# Altium PCB fMAX_MB.PcbDoc (part 12 of 13) (continued)
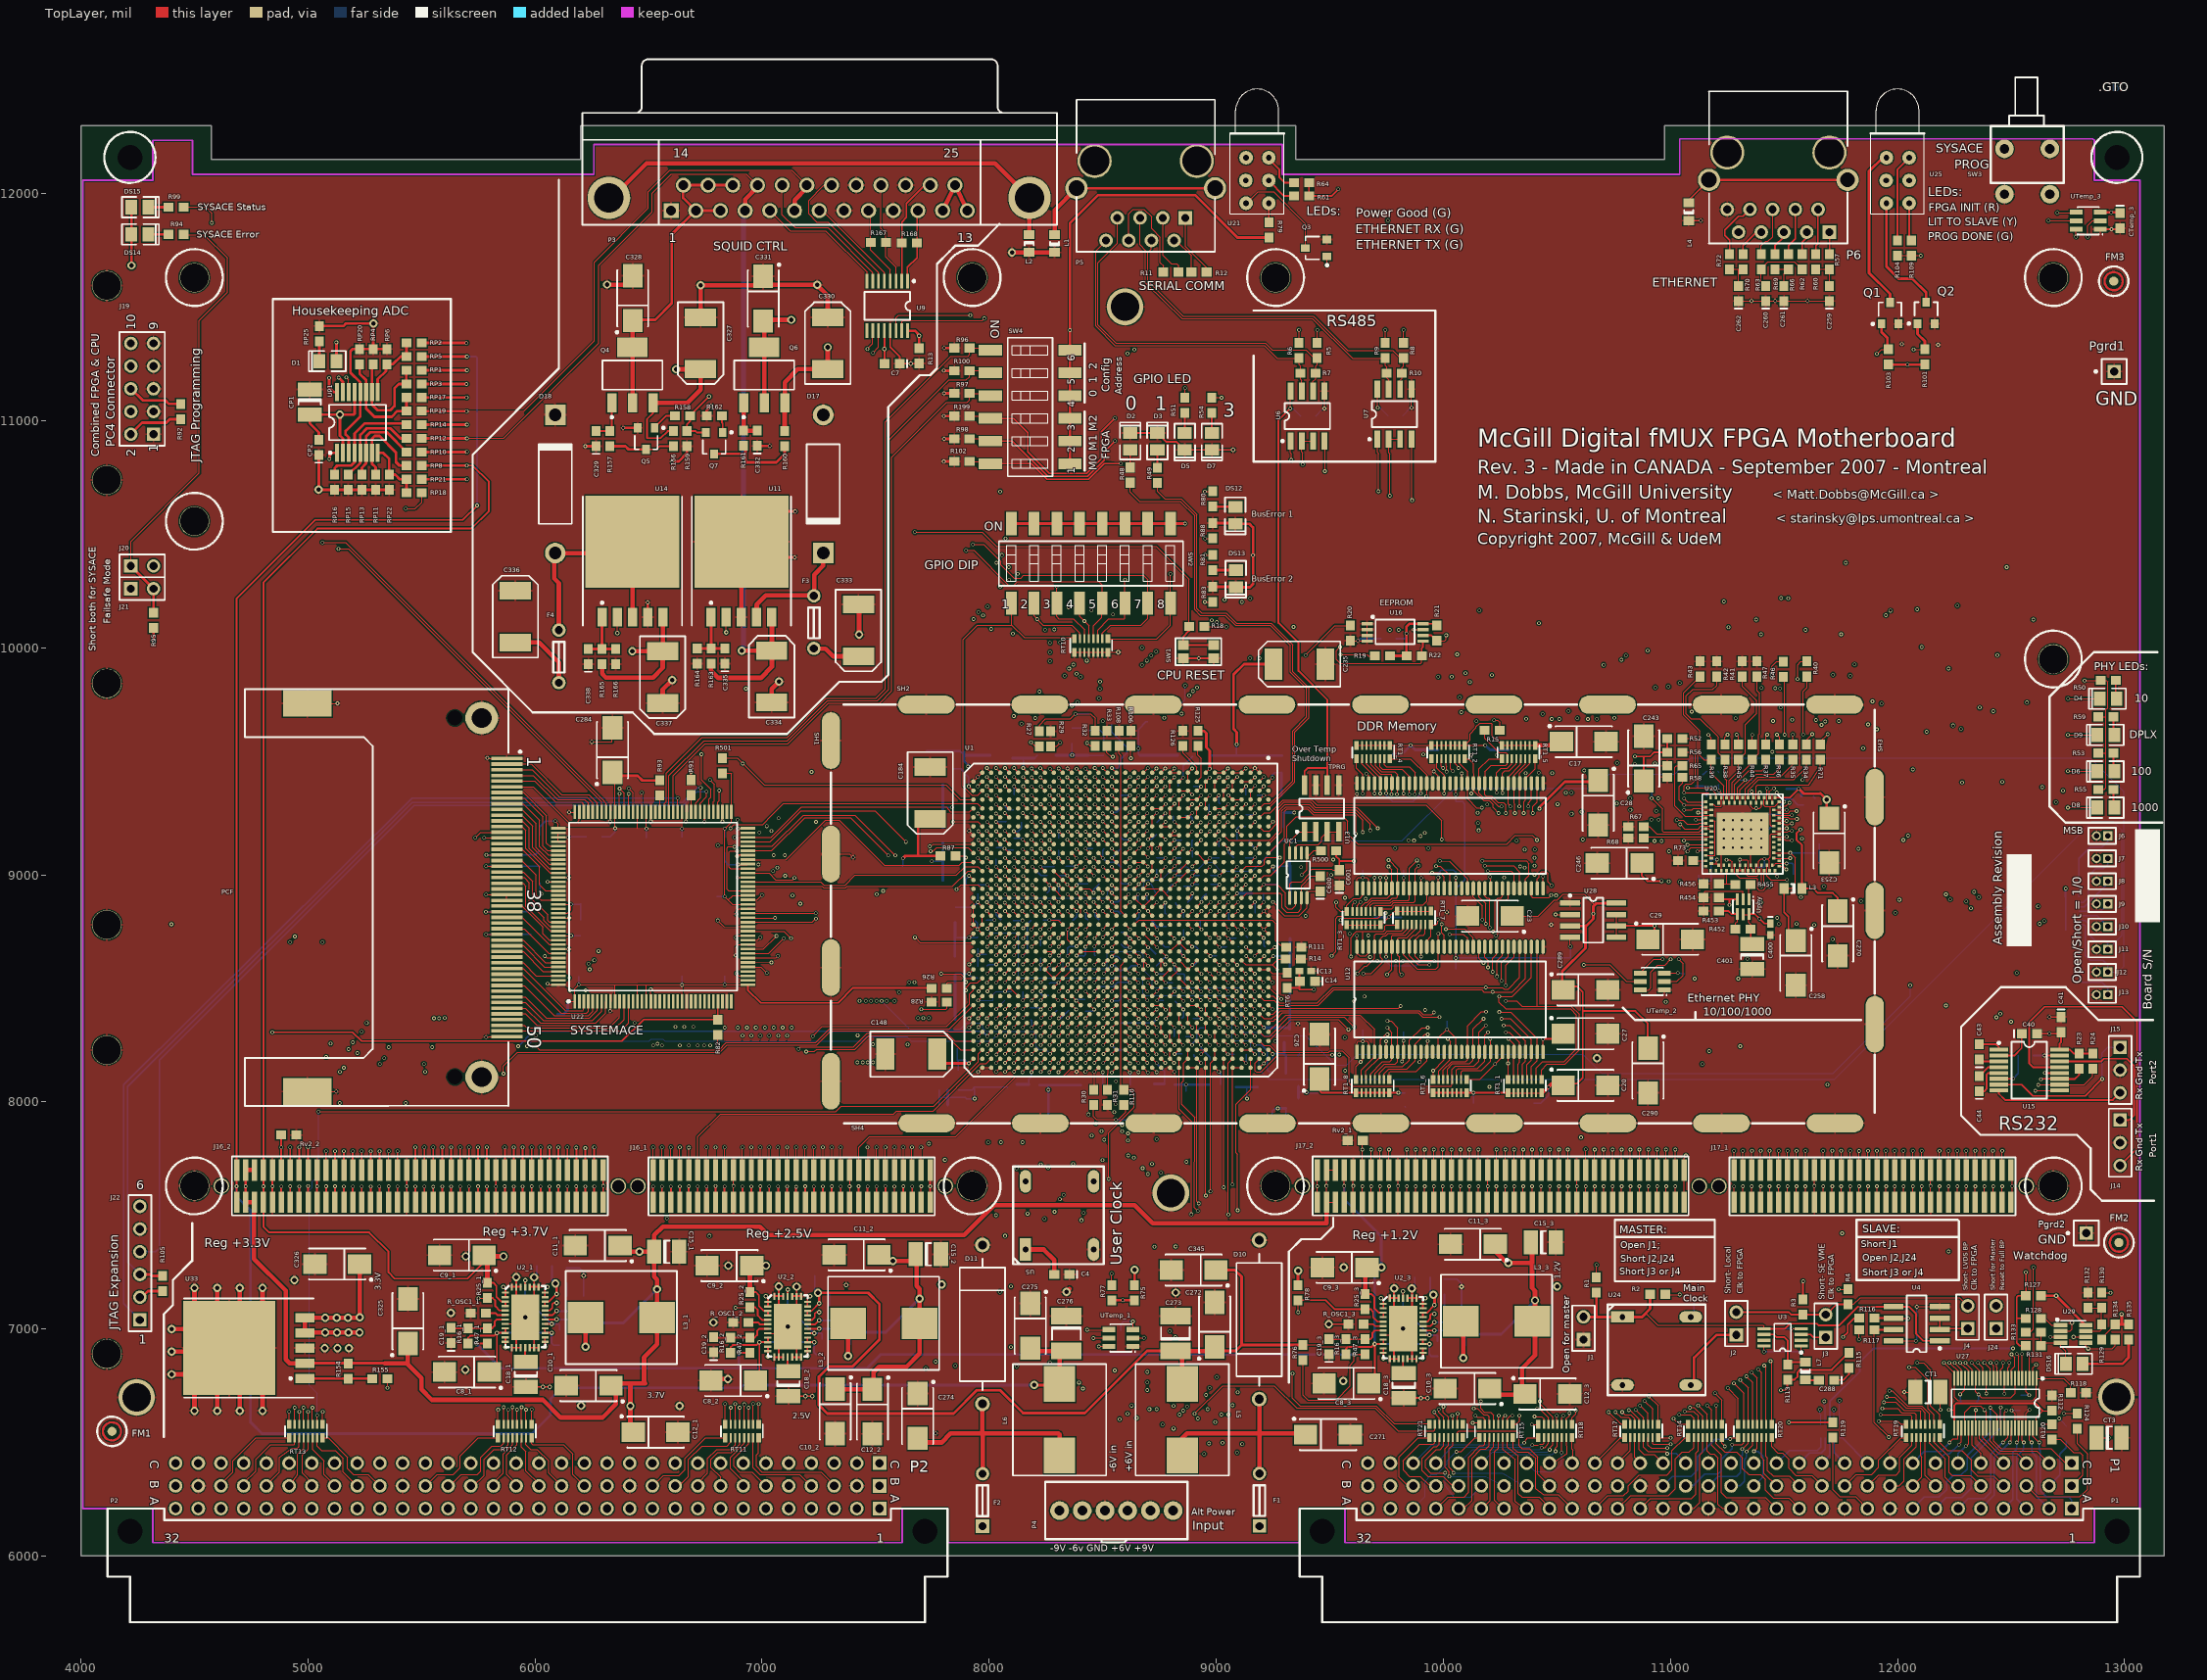
[diagram p0: TopLayer view]
## Nets (pads, with @x,y where several pads share a name; then routed paths per layer and width w, separated by ;. In a path a pad name is that pad's centre, name@x,y a point inside that pad or via, vN(x,y) a via of type N, cw(c..) or ccw(c..) an arc to the next point about the centre after c; other vN are vias at no path point) (continued)
  other v1: 7991,8330
  other v2: 7791.29,7195.93
VOUT3: C10_3.1 C11_3.1 C12_3.1 C15_3.1 C158.1 C159.1 C160.1 C161.1 C162.1 C163.1 C164.1 C165.1 C166.1 C167.1 C168.1 C171.1 C175.1 C178.1 C179.1 C180.1 C181.1 C182.1 C183.1 C185.2 C186.2 C187.2 C188.2 C189.2 C190.2 C191.2 C192.2 C193.2 C194.2 C195.2 C196.2 C197.2 C198.2 C199.2 C200.2 C201.2 C202.2 C203.2 C204.2 C205.2 C206.2 C207.2 C208.2 C209.2 C210.2 C211.2 C212.2 C213.2 C214.2 C215.2 C216.2 C217.2 C218.2 C219.2 C220.2 C221.2 C222.2 C223.2 C224.2 C225.2 C226.2 C227.2 C228.2 C229.2 C230.2 C231.2 C232.2 C233.2 C234.2 C235.1 C247.2 C248.2 C249.2 C250.2 C251.2 C252.2 C253.1 L3_3.2 R41_3.2 U1.AA16 U1.AA18 U1.AA20 U1.AB7 U1.AB11 U1.AB21 U1.AC12 U1.AC14 U1.AC18 U1.AC20 U1.AC22 U1.AD13 U1.AD15 U1.AD23 U1.AD25 U1.AE12 U1.AE14 U1.AE22 U1.AE24 U1.AE28 U1.AF9 U1.AF13 U1.AF19 U1.AF23 U1.AH13 U1.AH15 U1.G20 U1.G22 U1.J12 U1.J16 U1.J22 U1.J26 U1.K7 U1.K11 U1.K13 U1.K21 U1.K23 U1.L10 U1.L12 U1.L20 U1.L22 U1.M13 U1.M15 U1.M21 U1.M23 U1.N14 U1.N24 U1.N28 U1.P15 U1.P17 U1.P19 U1.R12 U1.R14 U1.R16 U1.T13 U1.T15 U1.T19 U1.T21 U1.U18 U1.U20 U1.V15 U1.V17 U1.W14 U1.W16 U1.W22 U1.Y19 U1.Y21 U1.Y23 U20.1 U20.6 U20.10 U20.15 U20.57 U20.62 U20.67 U20.71 U20.85 U29.6 | length 9579.4
  TopLayer w4: v1(11247.05,9065.94) 11261.81,9065.94 11271.02,9056.73 U20.57@11271.02,9018.74 ; U20.62@11330.08,9042.41 11330.08,9004.57 11340.55,8994.09 11380.91,8994.09 11389.13,9002.32 U20.67@11389.13,9018.74 11389.13,9060.13 11399,9070 v1(11414,9070) 11427,9070 11436.38,9060.62 U20.71@11436.38,9018.74 ; 11429.13,9067.91 11430.12,9067.91 11439.96,9077.76 11439.96,9175.2 11443.9,9179.13 U20.85@11478.35,9179.13
  TopLayer w5: v1(8150,8915) U1.AH15@8166.61,8898.43 ; v1(8150,8995) 8166.61,8978.39 U1.AH13@8166.61,8977.17 ; v1(8226,8722) U1.AF19@8245.35,8740.94 ; v1(8228,9152) U1.AF9@8245.35,9134.65 ; U1.AF13@8245.35,8977.17 8245.35,8974.65 v1(8265,8955) 8282.2,8937.8 U1.AE14@8284.72,8937.8 U1.AD15@8324.09,8898.43 U1.AD15@8321.57,8898.43 ; U1.AF23@8245.91,8582.91 U1.AE24@8284.72,8544.09 U1.AD23@8324.09,8583.46 v1(8345.55,8604.92) U1.AC22@8363.46,8622.83 U1.AC22@8363.46,8622.46 ; U1.AF23@8246.46,8583.46 U1.AF23@8245.35,8583.46 v1(8264.65,8602.76) U1.AE22@8284.72,8622.83 U1.AE22@8284.72,8622.72 ; v1(8267,8369) 8284.61,8386.61 U1.AE28@8284.72,8386.61 ; U1.AE12@8284.72,9016.54 U1.AD13@8324.09,8977.17 v1(8343.64,8957.62) U1.AC14@8363.46,8937.8 8367.8,8937.8 v1(8385,8955) ; v1(8306,8486) 8324.09,8504.09 U1.AD25@8324.09,8504.72 ; U1.AC20@8363.46,8701.57 8358.43,8701.57 8345,8715 v1(8345,8760) 8363.46,8778.46 U1.AC18@8363.46,8780.31 ; U1.AC12@8363.46,9016.54 8383.46,9036.54 U1.AB11@8402.83,9055.91 U1.AB11@8402.83,9057.17 ; v1(8384,9232) 8402.61,9213.39 U1.AB7@8402.83,9213.39 ; v1(8385,8644) 8402.83,8661.83 U1.AB21@8402.83,8662.2 U1.Y21@8481.57,8662.2 ; v1(8424,8683) 8442.2,8701.2 U1.AA20@8442.2,8701.57 ; v1(8425,8880) 8425,8876.26 U1.AA16@8442.2,8859.06 ; v1(8425.2,8759.84) 8440.94,8779.53 U1.AA18@8442.2,8780.31 ; v1(8463,8565) 8481.46,8583.46 U1.Y23@8481.57,8583.46 ; v1(8464.57,8720.47) 8480.94,8740.94 U1.Y19@8481.57,8740.94 ; v1(8503,8605) 8520.83,8622.83 U1.W22@8520.94,8622.83 ; U1.W16@8520.94,8859.06 v1(8540.44,8839.56) U1.V17@8560.32,8819.68 ; U1.W14@8520.94,8937.8 8522.2,8937.8 v1(8540,8920) 8560.32,8899.68 U1.V15@8560.32,8898.43 ; U1.U20@8599.69,8701.57 8599.69,8700.31 v1(8620,8680) ; U1.U18@8599.69,8780.31 v1(8620,8760) ; U1.T21@8639.06,8662.2 8639.06,8660.94 v1(8660,8640) ; U1.T19@8639.06,8740.94 v1(8660,8720) ; U1.T13@8639.06,8977.17 v1(8658.62,8996.73) U1.R12@8678.43,9016.54 ; v1(8655,8915) 8639.06,8899.06 U1.T15@8639.06,8898.43 U1.R16@8678.43,8859.06 ; v1(8700,8960) 8678.43,8938.43 U1.R14@8678.43,8937.8 U1.N14@8757.17,8937.8 ; U1.P19@8717.8,8740.94 8719.06,8740.94 v1(8740,8720) ; U1.P17@8717.8,8819.68 8719.68,8819.68 8718.7,8820.63 8699.23,8839.2 U1.R16@8678.43,8859.06 ; v1(8737,8366) 8757.17,8386.17 U1.N28@8757.17,8386.61 ; U1.N14@8757.8,8937.8 U1.N14@8757.17,8937.8 ; v1(8776,8525) 8757.17,8543.83 U1.N24@8757.17,8544.09 U1.M23@8796.54,8583.46 ; U1.M21@8796.54,8662.2 U1.L20@8835.91,8701.57 ; U1.M13@8796.54,8977.17 v1(8816.76,8997.39) U1.L12@8835.91,9016.54 U1.K11@8875.28,9055.91 ; U1.M15@8798.43,8898.43 U1.M15@8796.54,8898.43 U1.N14@8757.17,8937.8 ; U1.L22@8835.91,8622.83 U1.K23@8875.28,8583.46 ; U1.L10@8835.91,9095.28 8835.91,9095.91 v1(8854,9114) ; v1(8855,8720) 8836.57,8701.57 U1.L20@8835.91,8701.57 ; U1.K21@8875.28,8662.2 U1.L20@8835.91,8701.57 ; U1.K13@8875.28,8977.17 v1(8894.8,8996.68) U1.J12@8914.65,9016.54 ; U1.K7@8875.28,9213.39 8875.39,9213.39 v1(8894,9232) ; U1.K23@8875.54,8583.46 U1.K23@8875.28,8583.46 ; U1.J26@8914.65,8465.35 v1(8932,8448) ; U1.J22@8914.65,8622.83 v1(8894.86,8603.03) U1.K23@8875.28,8583.46 ; U1.J16@8914.65,8859.06 8914.65,8859.65 v1(8935,8880) ; U1.G22@8993.39,8622.83 8993.39,8622.61 v1(9013,8603) ; U1.G20@8993.39,8701.57 8994.43,8701.57 v1(9014,8682) ; U20.15@11294.65,9340 11294.65,9382.65 v1(11329,9417) ; U20.10@11353.7,9317 11353.7,9301.3 11362,9293 v1(11377,9293) 11392,9293 11400.94,9301.94 U20.6@11400.94,9317 ; v3(12775.12,6964.88) U29.6@12828.55,6964.88 ; U1.R16@8678.43,8859.06 8718.11,8898.11 8718.43,8898.43 U1.P15@8717.8,8898.43 U1.N14@8757.17,8937.8
  TopLayer w6: U20.1@11460,9340 11526.02,9340 v1(11564.96,9378.94)
  TopLayer w12: v1(9090,9575) 9090,9628 9076,9642 9076,9882.1 9121.9,9928 C235.1@9251.83,9928 ; v1(11564.96,9378.94) 11586.49,9357.41 11661.3,9357.41 ; 11660.43,9358.27 11661.3,9357.41 ; C253.1@11699,9249.43 11687.99,9260.43 v2(11687.99,9330.71) 11661.3,9357.41
  TopLayer w20: C11_3.1@10215,7355 10279.07,7290.93 v2(10285.83,7290.93) 10390.71,7290.93 ; C10_3.1@10222.6,6710.93 10350.83,6710.93 10345.83,6715.93 10345.83,6825.93 10403.31,6883.41 10403.31,7034 v2(10403.31,7125.93) 10403.31,7168.45 10390.71,7181.05 10390.71,7290.93 ; C15_3.1@10390.71,7374.29 10390.71,7290.93 ; 10390.83,7290.93 10390.71,7290.93
  MidLayer3 w5: v1@8540.44,8837.51 v1(8540.44,8839.56)
  BottomLayer w5: C248.2@11300,9416.41 v1@11328.41,9416.41 ; v1@11329.54,9417.54 C252.2@11361,9417.54
  BottomLayer w6: C181.1@7779,7986.59 7779,8019 ; C198.2@7779,8052.41 7779,8019 ; C213.2@7864,8052.46 7923.35,8052.46 C225.2@7936,8065.12 ; C221.2@7871,9544.88 7888.78,9527.1 C221.2@7889,9526.88 ; C187.2@7987.59,8799 7988.59,8800 v1(8023,8800) ; C226.2@8020,8065.12 C225.2@7936,8065.12 ; C226.2@8020.47,8065.59 C186.2@8082,8065.59 ; C201.2@8105.59,8800 8106.59,8799 v1(8146,8799) ; C182.1@8226,8686.59 v1(8226,8722) ; C193.2@8254.41,8920 8265,8930.59 v1(8265,8955) ; C232.2@8261,7929 C234.2@8343,7929 ; v1(8264.65,8602.76) 8264.65,8588.94 C178.1@8275.59,8578 ; v1(8267,8369) 8267,8370.59 C159.1@8299.41,8403 ; C194.2@8338.12,9036.47 C194.2@8337.59,9037 v1(8383,9037) ; C175.1@8343,8725.59 8345,8727.59 v1(8345,8760) ; v1(8365,9526.88) C207.2@8365,9578.54 ; v1(8385,8644) 8415.41,8644 C188.2@8417.41,8642 ; v1(8385,8955) 8390,8960 C195.2@8434.41,8960 ; C230.2@8438,9524.88 C205.2@8503.65,9524.88 ; v1(8540.44,8839.56) 8566.98,8839.56 C212.2@8580,8826.54 ; C190.2@8580,8694.41 8594.41,8680 v1(8620,8680) ; C158.1@8654.41,8880 8655,8880.59 v1(8655,8915) ; 8662.46,9526.54 8657,9532 v1(8657,9556) 8657,9640 8690.88,9673.88 C231.2@8698,9673.88 ; C208.2@8692,9526.54 C208.2@8692,9527 ; v1(8700,8960) 8714.41,8960 C199.2@8732.41,8919 ; v1(8740,8720) 8740,8716 8774,8682 C161.1@8794.41,8682 ; v1(8776,8525) C168.1@8809.41,8525 ; v1(8816.76,8997.39) 8852.8,8997.39 C180.1@8857,9001.59 ; v1(8855,8720) C162.1@8855,8759.41 ; C202.2@8861.59,9260 8884,9260 8894,9250 v1(8894,9232) ; C167.1@8867,8046.59 v1(8867,8075.46) ; v1(8894.8,8996.68) 8923.09,8996.68 C196.2@8924.41,8998 ; v1(8894.86,8603.03) 8902.62,8603.03 C164.1@8921,8621.41 ; v1(8935,8880) 8935,8896.59 C179.1@8956.41,8918 ; v1(9014,8682) 9043.41,8682 C163.1@9045.41,8684 ; C223.2@9090,9524.88 9090,9525.54 v1(9090,9575) ; v1(9135,8014) 9135,8065.12 ; C224.2@9209.35,9525.54 C224.2@9210,9524.88 ; C192.2@9247,7930.59 9247,7959 9259,7971 v1(9271,7971) ; C165.1@9306.41,7893 C171.1@9306.41,7931 C166.1@9306.41,7971 ; C250.2@11373,9033.59 C249.2@11412.41,9033.59 ; C249.2@11414,9033.59 v1(11414,9070) ; 7779,8019 7817,8019 7895,8019 7900,8014 v1(7936,8014) C225.2@7936,8065.12
  BottomLayer w8: C188.2@8417.41,8642 8424,8648.59 v1(8424,8683) ; C189.2@8580.71,8347.44 8581,8347.44 8719.49,8347.44 8737,8364.95 v1(8737,8366)
  BottomLayer w12: C206.2@7727.41,9544.41 C200.2@7772,9544.41 C191.2@7811,9544.41 C221.2@7870.53,9544.41 ; C160.1@7817,7986.59 7817,8019 C185.2@7817,8052.41 ; C221.2@7888.78,9540.35 7888.78,9527.1 7888.78,9501.97 7907.48,9483.27 v1(7907.48,9476.38) ; C221.2@7889,9526.88 7938,9526.88 C222.2@8004,9526.88 ; C214.2@8222,8073.46 8261,8073.46 ; C232.2@8261,7927.12 8261,7929 v1(8261,8053) 8261,8073.46 ; C229.2@8294,9525.88 8365,9525.88 C230.2@8437,9525.88 ; C217.2@8402,8073.46 C216.2@8352,8073.46 C215.2@8300,8073.46 8261,8073.46 ; 8662.46,9526.54 C208.2@8692,9526.54 8736,9526.54 C209.2@8780,9526.54 C210.2@8830,9526.54 ; C218.2@8817,8075.46 v1(8867,8075.46) C219.2@8917,8075.46 C220.2@8967,8075.47 ; C203.2@8980,9525.41 9024,9525.41 C211.2@9024.87,9525.41 ; C211.2@9024,9525.54 9090,9525.54 9150,9525.54 C224.2@9209.35,9525.54 ; C227.2@9088,8065.12 9135,8065.12 C228.2@9182,8065.12 ; C224.2@9210,9524.88 C233.2@9288.76,9524.88 ; v1(9271,7971) C166.1@9306.41,7971 ; R41_3.2@10163.29,6976.93 10254.31,6976.93 v2(10403.31,7125.93) ; C247.2@11510.83,9378.94 11511,9378.94 v1(11564.96,9378.94) 11576.41,9367.49 C251.2@11576.41,9346
  other v1: 8700,8840
  other v2: 10500.94,7187.93
VREF: C30.2 C31.2 U12.49 U13.49 U28.4 | length 1515.9
  TopLayer w5: v1(10055,8633) U12.49@10055.04,8682.99 ; v1(10055.04,9355.04) U13.49@10055.04,9402.99 ; U28.4@10557.64,8725 10557.64,8686.36 v1(10560,8684)
  BottomLayer w6: C30.2@10055,8584.46 10055,8938 10094,8977 10094,9312 10084.54,9321.46 C31.2@10055,9321.46 C31.2@10055,9321.46 v1(10055.04,9355.04) ; v1(10055,8633) 10055.12,8633.86 10196.85,8633.86 10560,8634 v1(10560,8684)
VTTDDR: C13.2 C14.2 C17.1 C20.1 C23.1 C26.1 C289.1 C290.1 CRT1_1.2 CRT1_2.2 CRT1_3.2 CRT1_4.2 CRT1_5.2 CRT1_6.2 CRT1_7.2 CRT1_8.2 RT1_1.1 RT1_1.2 RT1_1.3 RT1_1.4 RT1_1.5 RT1_1.6 RT1_1.7 RT1_1.8 RT1_2.1 RT1_2.2 RT1_2.3 RT1_2.4 RT1_2.5 RT1_2.6 RT1_2.7 RT1_2.8 RT1_3.1 RT1_3.2 RT1_3.3 RT1_3.4 RT1_3.5 RT1_3.6 RT1_3.7 RT1_3.8 RT1_4.1 RT1_4.2 RT1_4.3 RT1_4.4 RT1_4.5 RT1_4.6 RT1_4.7 RT1_4.8 RT1_5.1 RT1_5.2 RT1_5.3 RT1_5.4 RT1_5.5 RT1_5.6 RT1_5.7 RT1_5.8 RT1_6.1 RT1_6.2 RT1_6.3 RT1_6.4 RT1_6.5 RT1_6.6 RT1_6.7 RT1_6.8 RT1_7.1 RT1_7.2 RT1_7.3 RT1_7.4 RT1_7.5 RT1_7.6 RT1_7.7 RT1_7.8 RT1_8.1 RT1_8.2 RT1_8.3 RT1_8.4 RT1_8.5 RT1_8.6 RT1_8.7 RT1_8.8 RT6.2 U1.C30 U1.E27 U1.F30 U1.H25 U28.3 U28.8 | length 10993.8
  TopLayer w5: U1.H25@8954.02,8504.72 8954.28,8504.72 v1(8974,8485) ; U1.F30@9032.76,8307.87 9032.76,8307.24 v1(9051,8289) ; U1.E27@9072.13,8425.98 9072.13,8425.87 v1(9091,8407) ; U1.C30@9150.87,8307.87 9151.13,8307.87 v1(9170,8289) ; RT1_3.1@9575.08,8780 9727,8780 v1(9760,8813) ; RT1_4.8@9617.28,9570 v1(10184,9570) ; v1@9759.84,8814.96 9784.88,8840 RT1_7.1@9944.92,8840 ; RT1_2.1@10094.92,9570 10118.11,9593.19 10118.11,9621.06 10144.69,9647.64 10144.69,9651.57 10161.42,9668.31 10209.65,9668.31 10215.55,9662.4 10215.55,9611.73 RT1_5.8@10257.28,9570 RT1_5.1@10404.92,9570 ; RT1_1.1@10285.08,8040 RT1_1.8@10432.72,8040 ; C23.1@10303.43,8818 10418,8818 10488.78,8888.78 10501.97,8888.78 10527.56,8914.37 10619.59,8914.37 10666.59,8867.37
  TopLayer w8: RT6.2@9312,8502.54 9365.73,8502.54 9366.41,8503.22 ; C13.2@9366.41,8576 9366.41,8494.81 9367.13,8494.09 v1(9429.13,8494.09) ; C26.1@9455,8100 9455,8050 9465,8040 v1(9802,8040) ; RT1_6.1@9955.08,8040 RT1_1.1@10285.08,8040 ; C20.1@10523.23,8080 10587.87,8080 10614.17,8106.3 10614.17,8484.25 10590.55,8507.87 C289.1@10523.23,8507.87 ; 10615,8400 10845,8400 10900,8345 C290.1@10900,8235
  TopLayer w12: C289.1@10523.23,8460 10523.23,8574.41 10625.98,8677.17 10625.98,8775.59 ; U28.3@10557.64,8775 10629.33,8775 10660.1,8805.77 10660.1,8860.89 10673.23,8874.02 10708.66,8874.02 ; 10707,8875 U28.8@10762.36,8875
  TopLayer w15: RT1_1.8@10432.72,8040 10437,8040 10477,8080 C20.1@10523.23,8080
  TopLayer w20: RT1_5.1@10404.92,9570 C17.1@10493.23,9570
  MidLayer1 w5: v1(9091,8407) 9091,8407.93 9108.27,8425.2 9215.55,8425.2 9284.45,8494.09 v1(9429.13,8494.09)
  Power2 w6: v1(8974,8485) 8971.22,8485 8953.74,8467.52 8953.74,8424.21 8989.17,8388.78 9072.78,8388.78 ; v1(9051,8289) 9051.8,8289 9072.78,8309.98 9072.78,8388.78 ; 9074.15,8309.39 9151.24,8309.39 9170,8290.63 v1(9170,8289) ; v1(9091,8407) 9072.78,8388.78
  Power2 w8: v1@9170,8290.63 9225.67,8290.63 v1(9429.13,8494.09) ; v1(9856,9570) 10586.5,9570 10685.04,9471.46 10685.04,8853.04 v1(10660.1,8828.1) 10625.01,8863.19 9953.74,8863.19 9903.55,8813 9609.26,8813 9429.13,8632.87 v1(9429.13,8494.09) ; v1@10131.89,8038.39 10436.39,8038.39 v1(10463,8065) ; v1(10133,8040) 9768.07,8040 9698.61,8109.46 9698.61,8297.97 9502.49,8494.09 v1(9429.13,8494.09)
  BottomLayer w6: v1(9802,8040) CRT1_8.2@9831.54,8040 ; CRT1_6.2@10133,7993.54 v1(10133,8040) ; CRT1_1.2@10397.46,7993 10428,7993 10463,8028 v1(10463,8065)
  BottomLayer w8: CRT1_3.2@9698.46,8813 CRT1_7.2@9815.54,8813
  BottomLayer w12: CRT1_4.2@9779.46,9531 9817,9531 v1(9856,9570) 9876,9550 CRT1_2.2@9976.54,9550 ; v1(10184,9570) 10186,9570 10206,9550 CRT1_5.2@10286.54,9550
pads on no net: FM1.0 FM1.1 FM2.0 FM2.1 FM3.0 FM3.1 J16_1.0 J16_2.0 J17_1.0 J17_2.0 P1.B31 P2.A1 P2.A2 P2.A3 P2.A4 P2.A5 P2.A6 P2.A7 P2.A8 P2.A9 P2.A10 P2.A11 P2.A12 P2.A13 P2.A14 P2.A15 P2.A16 P2.A17 P2.A18 P2.A19 P2.A20 P2.A21 P2.A22 P2.A23 P2.A24 P2.A25 P2.A26 P2.A27 P2.A28 P2.A29 P2.A30 P2.A31 P2.A32 P2.B5 P2.C7 P2.C8 P2.C9 P2.C10 P2.C11 P2.C12 P2.C13 P2.C14 P2.C15 P2.C16 P2.C17 P2.C18 P2.C19 P2.C20 P2.C21 P2.C22 P2.C23 P2.C24 P2.C25 P2.C26 P2.C27 P2.C28 P2.C29 P2.C30 P2.C31 P2.C32 P5.0 P5.11 P6.0 PCF.24 PCF.33 PCF.37 PCF.40 PCF.43 PCF.45 PCF.46 PCF.55 PCF.56 RT16.6 RT16.7 RT16.8 RT16.9 RT16.10 RT16.11 RT21.1 RT21.16 SH2.AX@9223,9749 SH2.AX@9723,9749 SH2.AX@10223,9749 SH2.AX@10723,9749 SW3.0 U1.A3 U1.A4 U1.A6 U1.A8 U1.A11 U1.A13 U1.A14 U1.A15 U1.A20 U1.AA25 U1.AB26 U1.AC19 U1.AD9 U1.AD10 U1.AD16 U1.AD27 U1.AD32 U1.AE2 U1.AF4 U1.AF6 U1.AF14 U1.AF15 U1.AF20 U1.AG13 U1.AG21 U1.AG27 U1.AG28 U1.AH7 U1.AH8 U1.AH25 U1.AJ4 U1.AJ5 U1.AJ6 U1.AJ7 U1.AJ9 U1.AJ10 U1.AJ25 U1.AK4 U1.AK7 U1.AK26 U1.AL10 U1.AL11 U1.AL25 U1.AL26 U1.AM5 U1.AM6 U1.AM13 U1.AM21 U1.AM22 U1.AM26 U1.AM27 U1.AN4 U1.AN13 U1.AN15 U1.AN20 U1.AN22 U1.AN23 U1.AN33 U1.AP6 U1.AP7 U1.AP14 U1.AP15 U1.AP21 U1.AP26 U1.B8 U1.B10 U1.B11 U1.B12 U1.B15 U1.B20 U1.C8 U1.C9 U1.C10 U1.C12 U1.C14 U1.C15 U1.C17 U1.C18 U1.C19 U1.C20 U1.D6 U1.D7 U1.D9 U1.D10 U1.D11 U1.D16 U1.D17 U1.D19 U1.D20 U1.D21 U1.E7 U1.E8 U1.E9 U1.E11 U1.E19 U1.E21 U1.F10 U1.F11 U1.F13 U1.F14 U1.F20 U1.F21 U1.G10 U1.G11 U1.G12 U1.G13 U1.G15 U1.G18 U1.G21 U1.H9 U1.H10 U1.H13 U1.H14 U1.H15 U1.H18 U1.H20 U1.H22 U1.J14 U1.J15 U1.J19 U1.J20 U1.J21 U1.K9 U1.K14 U1.K16 U1.K19 U1.L14 U1.L15 U1.L16 U1.L18 U1.L19 U1.M16 U1.M17 U1.M18 U1.M20 U1.M25 U1.N15 U1.N17 U1.N18 U1.N19 U1.N20 U1.N34 U1.R17 U1.T1 U1.T16 U1.U1 U1.U28 U1.W10 U1.W11 U1.W21 U1.Y13 U1.Y18 U1.Y27 U1.Y28 U3.2 U3.7 U9.9 U12.14 U12.19 U12.25 U12.43 U12.50 U12.53 U13.14 U13.19 U13.25 U13.43 U13.50 U13.53 U20.13 U20.22 U20.44 U20.46 U20.49 U20.50 U20.51 U20.54 U20.56 U20.75 U20.77 U20.79 U20.80 U20.81 U20.82 U22.2 U22.14 U22.16 U22.19 U22.20 U22.21 U22.22 U22.23 U22.24 U22.27 U22.28 U22.29 U22.30 U22.31 U22.32 U22.34 U22.36 U22.38 U22.40 U22.71 U22.74 U22.90 U22.122 U22.124 U22.127 U22.143 UC1.6
copper on no net:
  other v1: 7051.18,9086.61

## Polygon pours and split planes (outlines as drawn)
GND on TopLayer "TopGND" (solid, remove dead copper, pour order 21): 4010,12060 4320,12060 4320,12235 4490,12235 4490,12085 6260,12085 6260,12215 9290,12215 9290,12085 11040,12085 11040,12240 12860,12240 12865,12235 12865,12060 13065,12060 13065,6210 12865,6210 12865,6060 9565,6060 9565,6210 9365,6210 9365,6060 7815,6060 7815,6210 7615,6210 7615,6060 4315,6060 4315,6210 4010,6210
GND on Gnd1 "Gnd1-GND" (solid, remove dead copper, pour order 22): 4117.61,12059.23 4316.61,12059.23 4316.61,12234.23 4490.61,12234.23 4490.61,12084.23 6258.61,12084.23 6258.61,12216.23 9290.61,12216.23 9290.61,12084.23 11040.61,12084.23 11040.61,12241.23 12858.61,12241.23 12865.61,12234.23 12865.61,12059.23 13066.61,12059.23 13066.61,6208.23 12866.61,6208.23 12866.61,6059.23 9566.61,6059.23 9566.61,6209.23 9366.61,6209.23 9366.61,6060.23 7817.61,6060.23 7817.61,6209.23 7616.61,6209.23 7616.61,6059.23 4316.61,6059.23 4316.61,6210.23 4116.61,6210.23 4116.61,12058.23
NetL3_3_1 on MidLayer1 "MidLayer1-NetL3_3_1" (solid, remove dead copper, pour order 23): 9704.72,7165.35 9704.72,6850.39 10118.11,6850.39 10118.11,7165.35
VCC3V3 on Power1 "Power1-VCC3V3" (solid, remove dead copper, pour order 24): 4117,6209.23 4317,6209.23 4317,6059.23 7617,6059.23 7617,6209.23 7817,6209.23 7817,6059.23 8227.06,6059.23 8227,6060.23 8227,6270.23 8238.87,6277.23 8359,6277.23 8367,6269.23 8367,6149.23 8747.69,6149.23 8804.34,6205.88 8810,6208.23 9256.69,6208.23 9314.34,6265.88 9320,6268.23 9816,6268.23 9824,6260.23 9824,6059.23 12867,6059.23 12867,6209.23 13067,6209.23 13067,12059.23 12867,12059.23 12867,12234.23 12860,12241.23 11041,12241.23 11041,12084.23 9291,12084.23 9291,12216.23 6259,12216.23 6259,12084.23 4491,12084.23 4491,12234.23 4317,12234.23 4317,12059.23 4117,12059.23
NetL3_1_1 on Power1 "Power1-NetL3_1_1" (solid, remove dead copper, pour order 26): 5859,7200 6057,7200 6057,6907 5859,6907
VCC3V3 on Power1 "Power1-VCC3V3 1" (solid, remove dead copper, pour order 27): 5846,6894 6070,6894 6070,7213 5846,7213
VAUXN on Power1 "Power1-VAUXN" (solid, remove dead copper, pour order 25): 8243,6068 8243,6261 8351,6261 8351,6141 8359,6133 8751,6133 8756.66,6135.34 8813.31,6192 9260,6192 9265.66,6194.34 9323.31,6252 9808,6252 9808,6068 9567,6068 9567,6209 9367,6209 9367,6068
VOUT2 on Power2 "Power2-VOUT2" (solid, remove dead copper, pour order 28): 4117,12059 4317,12059 4317,12234 4491,12234 4491,12084 6259,12084 6259,12216 9291,12216 9291,12084 11041,12084 11041,12241 12860,12241 12867,12234 12867,12059 13067,12059 13067,6209 12867,6209 12867,6059 9567,6059 9567,6209 9367,6209 9367,6059 7817,6059 7817,6209 7617,6209 7617,6059 4317,6059 4317,6209 4117,6209
VOUT3 on Power3 "Power3-VOUT3" (solid, remove dead copper, pour order 29): 7722,6832 9008.64,6832 9008.64,7711.61 cw(c9022.64,7711.61) 9028.24,7724.44 9041.34,7733.49 10012.8,7733.49 cw(c10012.8,7719.49) 10026.8,7719.49 10026.8,6832 12813,6832 12813,9724 7722,9724
EXT5V5P on Power3 "Power3-EXT5V5P" (solid, remove dead copper, pour order 30): 8671,6513 9717,6513 9717,6062 9568,6062 9568,6211 9368,6211 9368,6059 8661,6059 8661,6513
INT5V5P on Power3 "Power3-INT5V5P" (solid, remove dead copper, pour order 32): 9036.64,6833.88 9995.19,6833.88 9998.8,6837.49 9998.8,7705.49 9041.34,7705.49 9036.64,7706.3
INT5V5P on Power3 "Power3-INT5V5P 1" (solid, remove dead copper, pour order 33): 4752.95,7682.09 7284.45,7682.09 7284.45,6828.74 7330.71,6782.48 9054.13,6782.48 9054.13,6899.61 9987.2,6899.61 9987.2,6602.36 4765.75,6602.36 4765.75,7683.07 4766.73,7683.07
NetL3_2_1 on Power3 "Power3-NetL3_2_1" (solid, remove dead copper, pour order 34): 7000,7160 7227,7160 7227,6863 6998,6863 6998,7160
NetL3_1_1 on Power3 "Power3-NetL3_1_1" (solid, remove dead copper, pour order 35): 5846,7201 6069,7201 6069,6906 5845,6906 5845,7201
EXT5V5N on Power3 "Power3-EXT5V5N 1" (solid, remove dead copper, pour order 36): 7462,6272 7622,6272 7622,6060 7462,6060
EXT5V5N on Power3 "Power3-EXT5V5N" (solid, remove dead copper, pour order 31): 7466,6360 8461,6360 8461,6060 7817,6060 7817,6209 7619,6209 7619,6267 7465,6267 7465,6360
GND on Gnd2 "Gnd2-GND" (solid, remove dead copper, pour order 37): 4007.87,12059.06 4317,12059 4317,12234 4491,12234 4491,12084 6259,12084 6259,12216 9291,12216 9291,12084 11041,12084 11041,12241 12860,12241 12867,12234 12867,12059 13067,12059 13067,6209 12867,6209 12867,6059 9567,6059 9567,6209 9367,6209 9367,6059 7817,6059 7817,6209 7617,6209 7617,6059 4317,6059 4317,6209 4007.87,6208.66
GND on Gnd3 "Gnd3-GND" (solid, remove dead copper, pour order 38): 4009.84,12059.06 4316.93,12059.06 4316.93,12233.27 4490.16,12233.27 4490.16,12084.65 6258.86,12084.65 6258.86,12215.55 9290.35,12215.55 9290.35,12084.65 11040.35,12084.65 11040.35,12241.14 12860.24,12241.14 12867.13,12234.25 12867.13,12058.07 13065.94,12058.07 13065.94,6209.65 12867.13,6209.65 12867.13,6059.06 9566.93,6059.06 9566.93,6209.65 9367.13,6209.65 9367.13,6059.06 7816.93,6059.06 7816.93,6209.65 7617.13,6209.65 7617.13,6059.06 4316.93,6059.06 4316.93,6208.66 4008.86,6208.66 4008.86,12059.06
GND on BottomLayer "BottomGND" (solid, remove dead copper, pour order 20): 4010,12060 4315,12060 4315,12235 4490,12235 4490,12085 6260,12085 6260,12215 9295,12215 9295,12085 11040,12085 11040,12240 12860,12240 12865,12235 12865,12060 13065,12060 13065,6210 12865,6210 12865,6060 9570,6060 9570,6210 9365,6210 9365,6060 7820,6060 7820,6210 7615,6210 7615,6060 4320,6060 4320,6210 4010,6210

## Keep-outs
TopOverlay:
  circle w10: c12686,11630 r125
  circle w10: c12686,9950 r125
  circle w10: c12686,7630 r125
  circle w10: c9261,7630 r125
  circle w10: c9261,11630 r125
  circle w10: c4500,10557 r125
  circle w10: c4500,7630 r125
  circle w10: c7925,7630 r125
  circle w10: c7925,11630 r125
  circle w10: c4500,11630 r125
KeepOutLayer:
  lines w8: 4317,6059 7617,6059 ; 4317,6059 4317,6209 4008.73,6209 4008.73,12059 4317,12059 4317,12234 4491,12234 4491,12084 6259,12084 6259,12216 9291,12216 9291,12084 11041,12084 11041,12216 11041,12241 12860,12241 12867,12234 12867,12059 13067,12059 13067,6209 ; 4317,6059 7617,6059 ; 7617,6059 7617,6209 ; 7617,6209 7817,6209 ; 7617,6209 7817,6209 ; 7817,6059 7817,6209 ; 7817,6059 7817,6209 ; 7817,6059 9367,6059 ; 9367,6059 9367,6209 ; 9367,6059 9367,6209 ; 9367,6209 9567,6209 ; 9367,6209 9567,6209 ; 9567,6059 9567,6209 ; 9567,6059 12867,6059 ; 9567,6059 9567,6209 ; 9567,6059 12867,6059 ; 12867,6059 12867,6209 ; 12867,6059 12867,6209 ; 12867,6209 13067,6209 ; 12867,6209 13067,6209

## Other copper
TopLayer:
  text ".GTL" at 12886,12449 h40
Gnd1:
  text ".G1" at 12886,12449 h40
MidLayer1:
  text ".G2" at 12886,12449 h40
Power1:
  text ".G3" at 12886,12449 h40
MidLayer2:
  text ".G6" at 12886,12449 h40
Power2:
  text ".G5" at 12886,12449 h40
Power3:
  text ".G7" at 12886,12449 h40
MidLayer3:
  text ".G8" at 12886,12449 h40
Gnd2:
  text ".G11" at 12886,12449 h40
MidLayer5:
  text ".G12" at 12885,12450 h40
MidLayer4:
  text ".G4" at 12885,12450 h40
Gnd3:
  text ".G9" at 12885,12450 h40
MidLayer6:
  text ".G10" at 12885,12450 h40
BottomLayer:
  text ".GBL" at 12886,12449 h40

## Silkscreen, mask and mechanical layers (free items; w line width, h text height)
TopOverlay:
  circle w10: c12966,12159 r112.5
  circle w10: c4216,12159 r112.5
  rectangle: 13045,8790 13155,9200
  rectangle: 12480,8685 12590,9090
  lines w10: 4365,6525 4365,7065 4405,7105 4405,7215 4490,7300 4490,7465 ; 6105,12060 6105,11230 5725,10850 5725,9980 5990,9715 6430,9715 6525,9620 7110,9620 7340,9850 7525,9850 7555,9880 7555,11060 7695,11200 7740,11200 7770,11230 7770,11690 7825,11745 7850,11770 7950,11770 8045,11865 ; 8420,10780 8420,11040 ; 8420,11080 8420,11340 ; 8495,6075 8495,6060 8595,6060 8610,6075 ; 9165,11285 9165,10820 9965,10820 9965,11440 9965,11485 9165,11485 ; 9320,6765 9320,7340 9375,7395 9460,7395 9515,7450 9515,7490 ; 10755,7405 11195,7405 ; 10790,8415 10845,8360 11140,8360 ; 11110,8395 11110,8380 11110,8360 11840,8360 ; 11820,7405 12265,7405 12270,7410 ; 11820,7475 11820,7215 12270,7215 12270,7475 12265,7480 11820,7480 ; 13125,8360 12885,8360 12740,8505 12455,8505 12280,8330 12280,7940 12365,7855 12790,7855 12850,7795 12850,7615 12900,7565 13130,7565 ; 13145,9980 12865,9980 12670,9785 12670,9300 12740,9230 13165,9230 ; 4845,10510 5630,10510 5630,11535 4845,11535 4845,10510 ; 10755,7210 11195,7210 11195,7480 10755,7480 10755,7210
  text ".GTO" at 12886,12449 h40
  text "SYSACE" at 12170,12180 h40
  text "PROG" at 12250,12110 h40
  text "LEDs:" at 12133.94,11988.78 h40
  text "SYSACE Status" at 4515,11925 h30
  text "FPGA INIT (R)" at 12136.89,11920.87 h35
  text "LEDs:" at 9396.54,11904.06 h40
  text "Power Good (G)" at 9615,11895 h40
  text "LIT TO SLAVE (Y)" at 12135,11860 h35
  text "ETHERNET RX (G)" at 9614.06,11825.32 h40
  text "SYSACE Error" at 4510,11805 h30
  text "PROG DONE (G)" at 12133.94,11793.9 h35
  text "ETHERNET TX (G)" at 9615,11755 h40
  text "SQUID CTRL" at 6786.42,11750 h40
  text "ETHERNET" at 10919.29,11588.58 h40
  text "SERIAL COMM" at 8660,11575 h40
  text "Housekeeping ADC" at 4930,11465 h40
  text "RS485" at 9485,11415 h50
  text "GPIO LED" at 8635,11165 h40
  text "Config" at 8530,11125 h35 r90
  text "Address" at 8585,11115 h30 r90
  text "0  1  2" at 8475,11105 h35 r90
  text "0" at 8600,11045 h60
  text "1" at 8730,11045 h60
  text "3" at 9030,11015 h60
  text "PC4 Connector" at 4150,10885 h40 r90
  text "McGill Digital fMUX FPGA Motherboard" at 10150,10885 h80
  text "Combined FPGA & CPU" at 4080,10840 h35 r90
  text "FPGA" at 8530,10830 h35 r90
  text "JTAG Programming" at 4525,10815 h40 r90
  text "M0 M1 M2" at 8475,10780 h35 r90
  text "Rev. 3 - Made in CANADA - September 2007 - Montreal" at 10150,10765 h60
  text "M. Dobbs, McGill University" at 10150,10655 h60
  text "< Matt.Dobbs@McGill.ca >" at 11450,10655 h40
  text "BusError 1" at 9155,10575 h25
  text "N. Starinski, U. of Montreal" at 10150,10550 h60
  text "< starinsky@lps.umontreal.ca >" at 11465,10550 h40
  text "Copyright 2007, McGill & UdeM" at 10150,10455 h50
  text "GPIO DIP" at 7715,10345 h40
  text "BusError 2" at 9155,10290 h25
  text "EEPROM" at 9720,10185 h25
  text "Failsafe Mode" at 4130,10105 h30 r90
  text "Short both for SYSACE" at 4065,9985 h30 r90
  text "PHY LEDs:" at 12865,9900 h35
  text "CPU RESET" at 8740,9860 h40
  text "10" at 13045,9760 h35
  text "DDR Memory" at 9620,9635 h40
  text "DPLX" at 13020,9600 h35
  text "Over Temp" at 9335,9540 h25
  text "Shutdown" at 9335,9500 h25
  text "100" at 13030,9440 h35
  text "1000" at 13030,9280 h35
  text "MSB" at 12730,9180 h30
  text "Assembly Revision" at 12460,8690 h40 r90
  text "Open/Short = 1/0" at 12810,8520 h40 r90
  text "Ethernet PHY" at 11075,8440 h35
  text "Board S/N" at 13120,8405 h40 r90
  text "10/100/1000" at 11145,8380 h35
  text "SYSTEMACE" at 6155,8295 h40
  text "Port2" at 13140,8075 h30 r90
  text "Rx Gnd Tx" at 13080,8010 h30 r90
  text "RS232" at 12445,7875 h60
  text "Port1" at 13140,7755 h30 r90
  text "Rx Gnd Tx" at 13080,7695 h30 r90
  text "6" at 4245,7615 h40
  text "SLAVE:" at 11845,7425 h35
  text "MASTER:" at 10775,7420 h35
  text "Reg +3.7V" at 5770,7410 h40
  text "Reg +2.5V" at 6930,7400 h40
  text "Reg +1.2V" at 9600,7395 h40
  text "Reg +3.3V" at 4545,7360 h40
  text "Short J1" at 11840,7360 h30
  text "Open J1;" at 10780,7355 h30
  text "Watchdog" at 12510,7305 h35
  text "Open J2,J24" at 11845,7300 h30
  text "Short J2,J24" at 10780,7295 h30
  text "User Clock" at 8585,7280 h50 r90
  text "Short J3 or J4" at 10775,7240 h30
  text "Short J3 or J4" at 11845,7235 h30
  text "1.2V" at 10515,7220 h25 r90
  text "3.3V" at 5320,7170 h25 r90
  text "Short- LVDS BP" at 12310,7170 h20 r90
  text "Clk to FPGA" at 12350,7170 h25 r90
  text "Short for Master" at 12430,7170 h20 r90
  text "Reset to Full BP" at 12470,7170 h20 r90
  text "Main" at 11055,7165 h30
  text "Short- Local" at 11265,7155 h25 r90
  text "Clk to FPGA" at 11320,7155 h25 r90
  text "Short- SE VME" at 11680,7130 h25 r90
  text "Clk to FPGA" at 11720,7130 h25 r90
  text "Clock" at 11055,7120 h30
  text "JTAG Expansion" at 4165,6995 h40 r90
  text "1" at 4255,6935 h40
  text "Open for master" at 10555,6805 h30 r90
  text "3.7V" at 6495,6695 h25
  text "2.5V" at 7135,6605 h25
  text "P1" at 12940,6430 h40 r270
  text "P2" at 7650,6370 h50
  text "-6V in" at 8560,6370 h30 r90
  text "+6V in" at 8630,6370 h30 r90
  text "Alt Power" at 8890,6180 h30
  text "Input" at 8895,6115 h40
  text "-9V -6v GND +6V +9V" at 8270,6020 h30